# Altium PCB 1-quilter-input.PcbDoc (part 1 of 4) (continued)
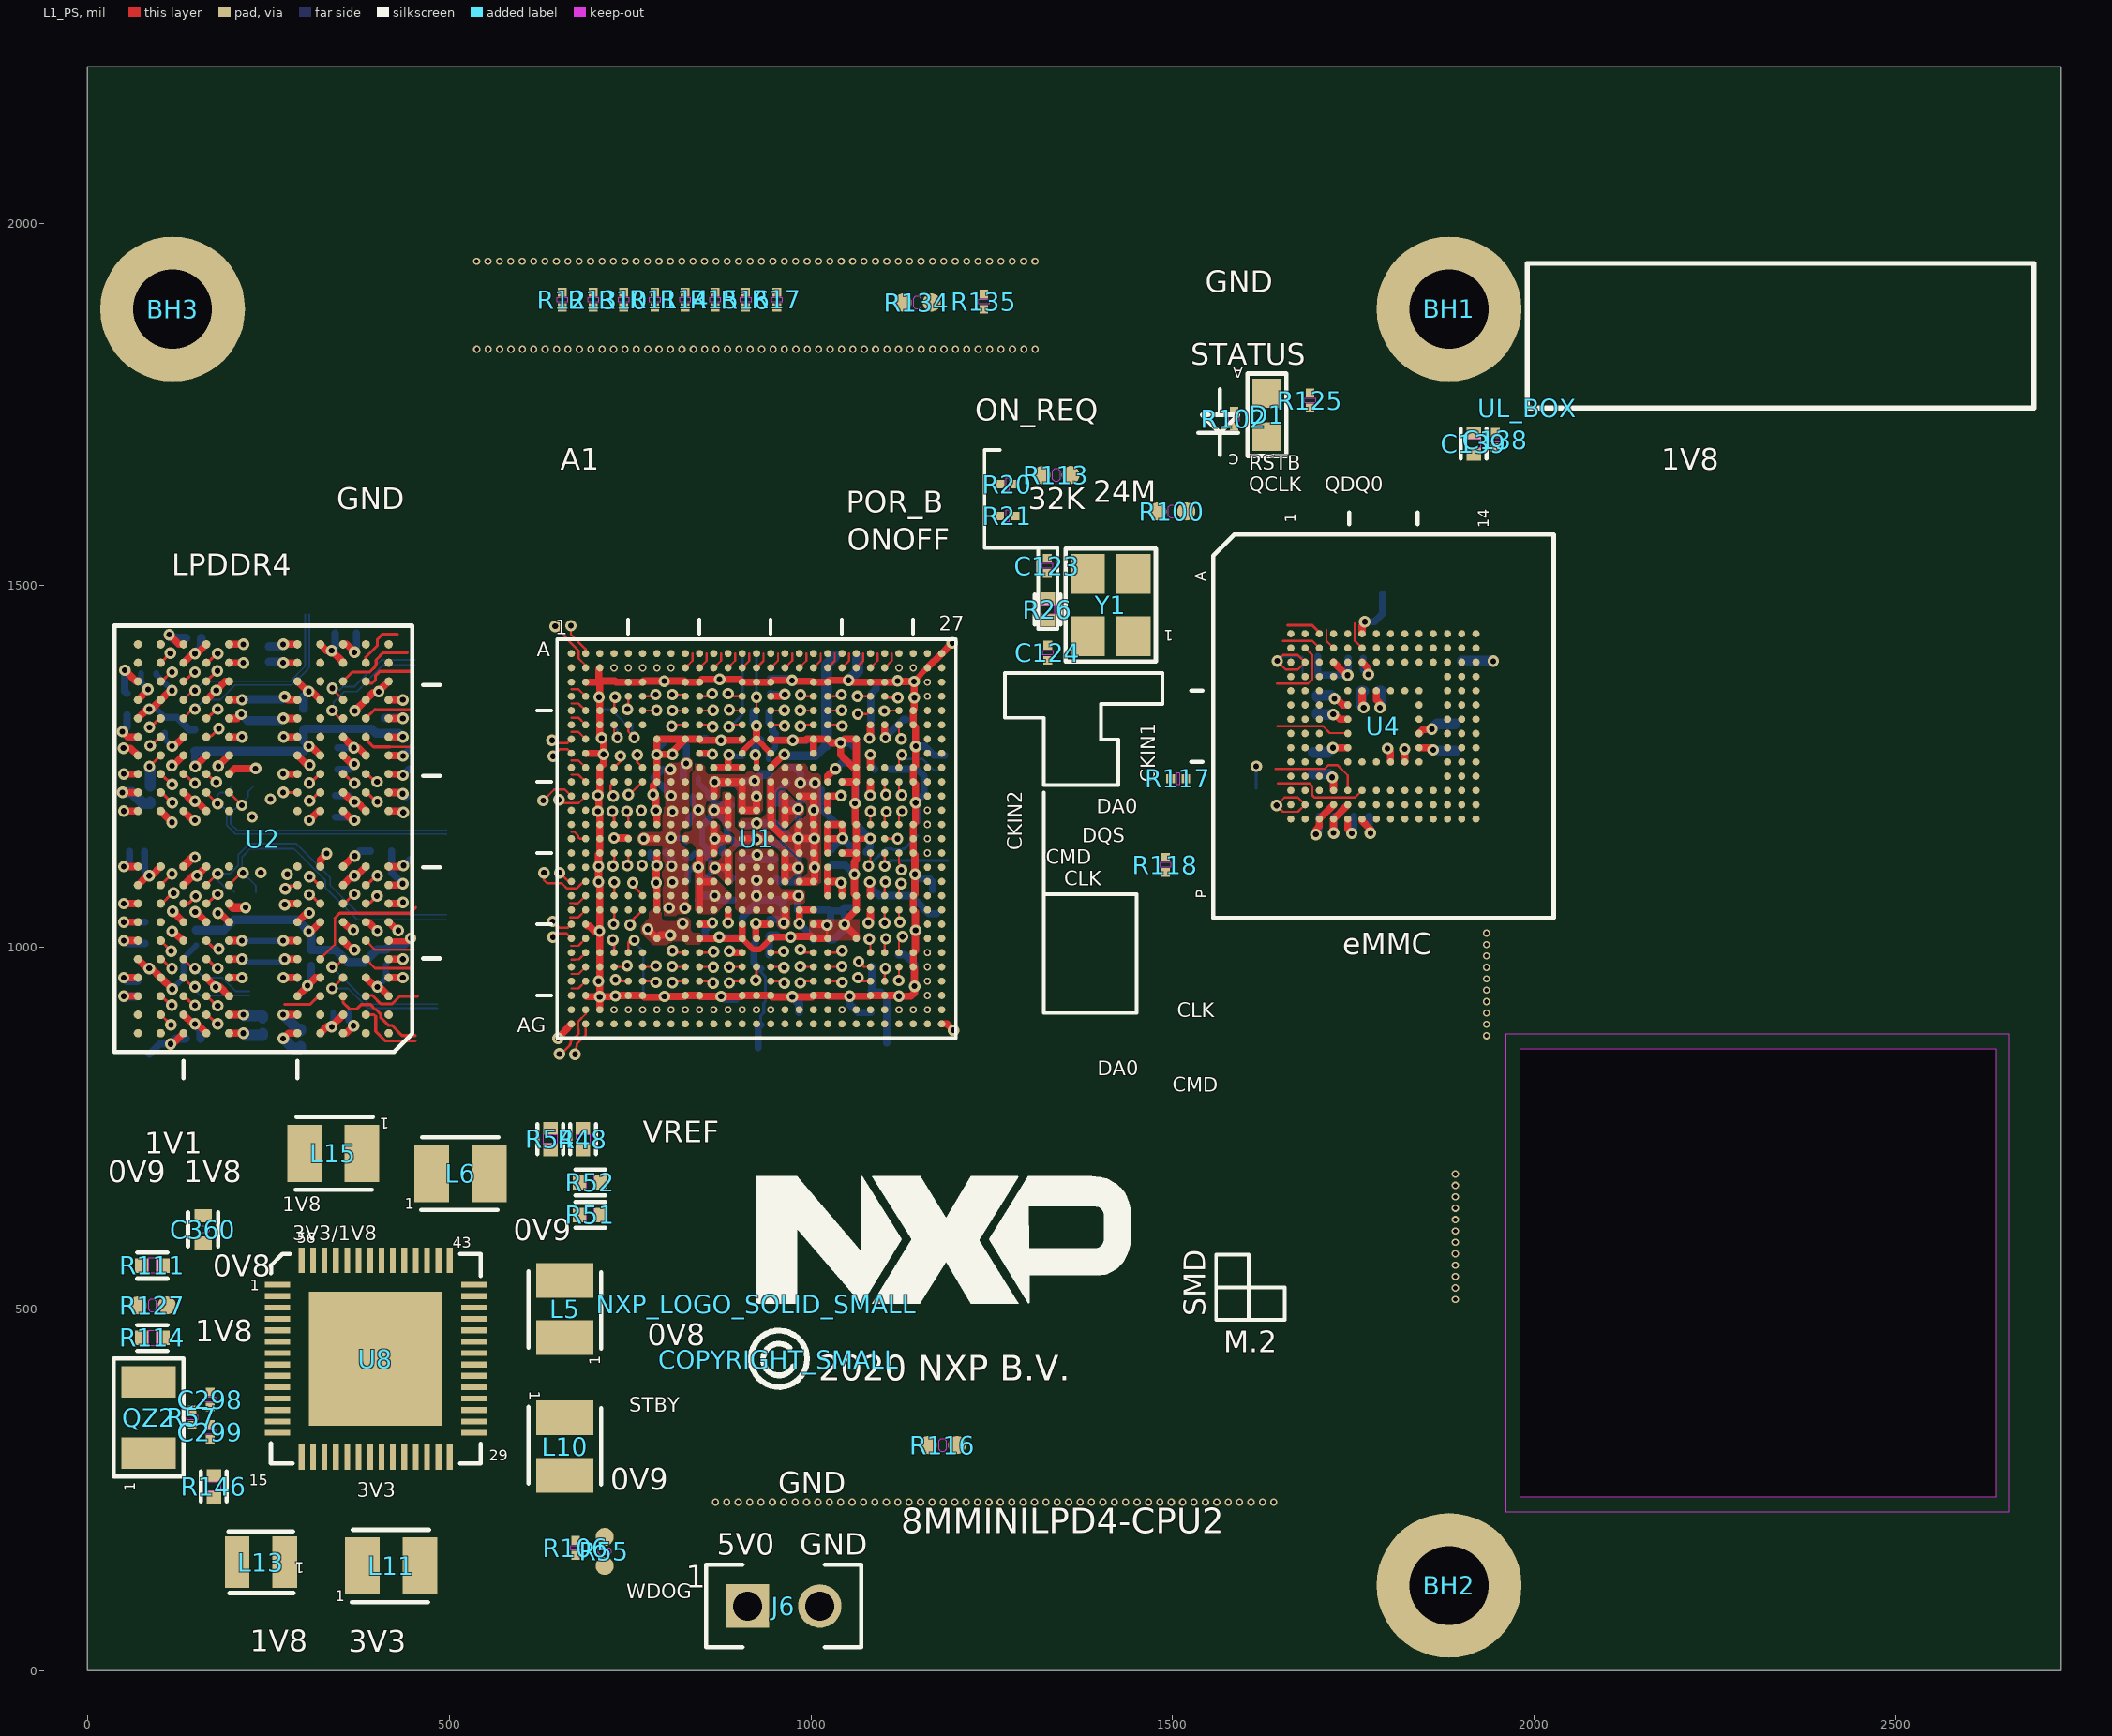
[diagram p0: L1_PS view]
## Components (designator, comment, footprint, x,y, rotation, side; value= is the part's Value field where it differs from the comment) (continued)
C360 "4.7uF" cc0402_tol0p15 160,610 r90 top
C363 "4.7uF" cc0402_tol0p15 235,660 r180 bottom
C365 "1.0UF" CC0603_OV 202,614 r180 bottom
C370 "0.22uF" 0201_CC 412.78,986.24 r270 bottom
C371 "0.22uF" 0201_CC 309.5,985.63 r270 bottom
C372 "0.22uF" 0201_CC 150.6,1013.02 r270 bottom
C373 "0.22uF" 0201_CC 84.89,1378.9 r0 bottom
C374 "0.22uF" 0201_CC 68.96,1132.26 r0 bottom
C375 "0.22uF" 0201_CC 107.2,1307.29 r90 bottom
C376 "0.22uF" 0201_CC 457.89,1197.9 r90 bottom
C378 "0.22uF" 0201_CC 251.62,1404.97 r90 bottom
C379 "0.22uF" 0201_CC 350.57,909.56 r0 bottom
C380 "0.22uF" 0201_CC 146.19,873.63 r180 bottom
C381 "0.22uF" 0201_CC 68.89,942.9 r270 bottom
C382 "0.22uF" 0201_CC 455.49,971.18 r90 bottom
C384 "0.22uF" 0201_CC 411.64,1306.23 r90 bottom
C391 "1uF" 0201_CC 1098.94,1246.02 r0 bottom
C392 "0.22UF" 0201_CC 1110.69,989.7 r0 bottom
C393 "0.22UF" 0201_CC 1079,1440 r180 bottom
C394 "0.22UF" 0201_CC 1185.53,1304.18 r270 bottom
C400 "0.22UF" 0201_CC 973.25,911.1 r0 bottom
C401 "10uF" CC0603_OV 920,510 r180 bottom
C402 "10uF" CC0603_OV 920,455 r180 bottom
C403 "22uF" CC0603_OV 1025,455 r180 bottom
C404 "22uF" CC0603_OV 1109.35,108.17 r270 bottom
C405 "2.2uF" 0402_CC 1050,1404 r0 bottom
C406 "1.0UF" 0402_CC 250,470 r0 bottom
C407 "1.0UF" 0402_CC 995,1715 r0 bottom
C408 "1uF" 0201_CC 1030,1440 r0 bottom
C410 "4.7uF" cc0402_tol0p15 460,289.7 r90 bottom
COPYRIGHT_SMALL "" COPYRIGHT_SMALL 955.92,430.2 r0 top
D1 "LED GREEN" LED_0603 1630.29,1735.74 r270 top
J4 "DF40C-100DP-0.4V(51)" con100_0p4_21p7x2p05_sm 923.89,1893.9 r180 bottom
J5 "DF40C-100DS-0.4V(51)" con100_0p4_22p8x3p1_sm 1253.89,293.9 r0 bottom
J6 "HDR 1X2 TH" HDR_1X2 912.42,89.57 r90 top
J7 "DF40C-20DS-0.4V(51)" con20_0p4_6p8x3p1_sm 1872.86,948.57 r90 bottom
J8 "CON 2X12" con24_0p4_7p6x3p08_sm 1830,600 r270 bottom
L5 "0.47uH" ind_sph2520 660,500 r90 top
L6 "0.47uH" ind_sph2520 515.97,687.43 r0 top
L10 "0.47uH" ind_sph2520 660,310 r270 top
L11 "1uH" ind_sph2520 420,145 r0 top
L13 "0.47uH" IND_2016A 240,150 r180 top
L15 "0.47uH" ind_sph2520 340,715 r180 top
NXP_LOGO_SOLID_SMALL "" NXP_LOGO_SOLID_SMALL 925,507 r0 top
Q1 "NX3008NBKW,115" sc70_3 1578,1194 r270 bottom
QZ2 "32.768KHZ" XTAL2-3P2X1P5-SM 85,350 r90 top
R4 "10K" 0201_CC 86.89,1211.9 r90 bottom
R5 "240 OHM" 0201_CC 294.98,873.65 r270 bottom
R6 "240 OHM" 0201_CC 242.62,891.73 r270 bottom
R7 "240 OHM" 0201_CC 685.44,1238.46 r180 bottom
R8 "150" 0402_CC 214.66,1222.19 r180 bottom
R9 "150" 0402_CC 218.32,1075.75 r180 bottom
R10 "4.7K" 0201_CC 741.29,1894.64 r90 top
R11 "4.7K" 0201_CC 784.25,1894.64 r90 top
R12 "4.7K" 0201_CC 656.25,1894.64 r90 top
R13 "4.7K" 0201_CC 699.25,1894.64 r90 top
R14 "4.7K" 0201_CC 826.01,1894.64 r90 top
R15 "4.7K" 0201_CC 867.58,1894.64 r90 top
R16 "4.7K" 0201_CC 909.99,1894.64 r90 top
R17 "4.7K" 0201_CC 953,1894.64 r90 top
R18 "10K" 0201_CC 1350.79,1359.2 r90 bottom
R20 "100K" 0201_CC 1271.89,1639.9 r180 top
R21 "100K" 0201_CC 1271.55,1596.05 r180 top
R23 "10K" 0201_CC 1218,1382 r180 bottom
R26 "510K" 0402_CC 1327.28,1466.58 r270 top
R28 "8.2K" 0402_CC 1092,1629 r0 bottom
R29 "200" 0201_CC 1089,1662 r0 bottom
R30 "200" 0201_CC 1087.89,1598.3 r0 bottom
R37 "10K" 0402_CC 1900,1410 r90 bottom
R47 "10K" 0402_CC 1412.46,1348.56 r270 bottom
R48 "0" 0402_CC 685,735 r270 top
R51 "0" 0402_CC 695,630 r180 top
R52 "0" 0402_CC 695,675 r180 top
R54 "0" 0402_CC 640,735 r270 top
R55 "0" RC0402_25 715,165 r90 top
R57 "1M" 0201_CC 145,350 r270 top
R71 "10K" 0402_CC 1559.89,124.9 r270 bottom
R72 "10K" 0402_CC 1519.89,124.9 r270 bottom
R75 "10K" 0402_CC 1479.89,124.9 r270 bottom
R76 "10K" 0402_CC 1439.89,124.9 r270 bottom
R79 "10K" 0402_CC 1467.33,1318.97 r90 bottom
R95 "10K" 0402_CC 1609.66,452.9 r90 bottom
R97 "10K" 0402_CC 1574.66,452.9 r90 bottom
R100 "0" RC0402_25 1498.9,1602.17 r180 top
R102 "100K" 0201_CC 1584.74,1730.27 r270 top
R103 "100K" 0201_CC 1185.53,1254.9 r90 bottom
R106 "100K" 0201_CC 675,170 r90 top
R108 "30K" 0201_CC 1089.89,1369.9 r90 bottom
R109 "30K" 0201_CC 1141.89,1314.9 r0 bottom
R111 "0" 0402_CC 90,560 r180 top
R113 "0" RC0402_25 1339.01,1652.57 r0 top
R114 "0" 0402_CC 90,460 r180 top
R116 "0" RC0402_25 1182,312 r180 top
R117 "10K" 0201_CC 1507.49,1233 r180 top
R118 "10K" 0201_CC 1490,1114 r90 top
R119 "10K" 0201_CC 1199.49,1030.6 r270 bottom
R120 "10K" 0201_CC 1171.49,1031 r270 bottom
R121 "10K" 0201_CC 713.39,1308.8 r0 bottom
R122 "10K" 0201_CC 763.39,1309.3 r180 bottom
R123 "10K" 0201_CC 715.49,991.3 r0 bottom
R124 "10K" 0201_CC 779.59,993.6 r180 bottom
R125 "1K" 0201_CC 1689.83,1755.76 r90 top
R127 "0" RC0402_25 90,505 r0 top
R133 "4.7K" 0201_CC 1277.5,1030.6 r270 bottom
R134 "0" RC0402_25 1147,1891 r180 top
R135 "100K" 0201_CC 1239,1892 r90 top
R140 "0" 0402_CC 575,610 r270 bottom
R141 "0" 0402_CC 620,610 r90 bottom
R142 "0" 0402_CC 569,528.24 r270 bottom
R143 "0" 0402_CC 534,528.76 r90 bottom
R144 "0" 0402_CC 540,320 r90 bottom
R145 "0" 0402_CC 505,320 r270 bottom
R146 "0" 0402_CC 175,255 r90 top
U1 "MIMX8MM6DVTLZAA" bga486_0p5_14x14 924.89,1149.9 r0 top
U2 "MT53E512M32D2NP-046 WT:F" bga200_0p65x0p8_10p1x14p6 243.33,1149.9 r180 top
U4 "SDINBDG4-32G-I1" fbga153_0p5_11p5x13 1791.18,1305.26 r0 top
U5 "MT25QU256ABA1EW7-0SIT" dfn8_1p27_6x5mm_3p1 1865,1600 r90 bottom
U8 "PCA9450AAHN" hvqfn56_0p4_7x7_ep4p7mm 398.69,431.23 r0 top
U10 "LD39015M12R" sot23-5 975,1605 r0 bottom
UL_BOX "" UL_BOX 1990,1745 r0 top
Y1 "24MHZ" xtlosc4_3p2x2p5mm_sm 1414.35,1472.82 r90 top

## Footprints (in the part's own frame and the unit in brackets; to place one, negate y for a bottom-side part, rotate by r counter-clockwise, add the part's x,y. Pads: shape width x height; smd on the part's side, far side on the other; paste and mask are expansions set on the pad)
0201_CC [mil] "0201_CC"
  rect 12x12 smd: 1(-10.51,0) 2(10.51,0)
  L1_PS keep-out region: -2.64,7.87 -2.64,-7.87 2.64,-7.87 2.64,7.87
  L1_PS keep-out region: -2.64,7.87 -2.64,-7.87 2.64,-7.87 2.64,7.87
  body extent -12,-6 12,6, height 13
0402_CC [mil] "0402_CC"
  rect 18x20 smd: 1(-14.76,0) 2(14.76,0)
  L1_PS keep-out region: -5.75,10 -5.75,-10 5.75,-10 5.75,10
  L1_PS keep-out region: -5.75,10 -5.75,-10 5.75,-10 5.75,10
  silkscreen extent -21,-18 21,18, body extent -20,-10 20,10, height 16
0402_cc_nsp [mil] "0402_CC_NSP"
  rect 18x20 smd: 1(-14.76,0) 2(14.76,0)
  L1_PS keep-out region: -5.75,10 -5.75,-10 5.75,-10 5.75,10
  L1_PS keep-out region: -5.75,10 -5.75,-10 5.75,-10 5.75,10
  silkscreen extent -21,-18 21,18, body extent -20,-10 20,10, height 16
bga200_0p65x0p8_10p1x14p6 [mil] "BGA200_0P65X0P8_10P1X14P6"
  round 11.5 smd: A1(-173.23,268.7) A2(-141.73,268.7) A3(-110.24,268.7) A4(-78.74,268.7) A5(-47.24,268.7) A8(47.24,268.7) A9(78.74,268.7) A10(110.24,268.7) A11(141.73,268.7) A12(173.23,268.7) AA1(-173.23,-243.11) AA2(-141.73,-243.11) AA3(-110.24,-243.11) AA4(-78.74,-243.11) AA5(-47.24,-243.11) AA8(47.24,-243.11) AA9(78.74,-243.11) AA10(110.24,-243.11) AA11(141.73,-243.11) AA12(173.23,-243.11) AB1(-173.23,-268.7) AB2(-141.73,-268.7) AB3(-110.24,-268.7) AB4(-78.74,-268.7) AB5(-47.24,-268.7) AB8(47.24,-268.7) AB9(78.74,-268.7) AB10(110.24,-268.7) AB11(141.73,-268.7) AB12(173.23,-268.7) B1(-173.23,243.11) B2(-141.73,243.11) B3(-110.24,243.11) B4(-78.74,243.11) B5(-47.24,243.11) B8(47.24,243.11) B9(78.74,243.11) B10(110.24,243.11) B11(141.73,243.11) B12(173.23,243.11) C1(-173.23,217.52) C2(-141.73,217.52) C3(-110.24,217.52) C4(-78.74,217.52) C5(-47.24,217.52) C8(47.24,217.52) C9(78.74,217.52) C10(110.24,217.52) C11(141.73,217.52) C12(173.23,217.52) D1(-173.23,191.93) D2(-141.73,191.93) D3(-110.24,191.93) D4(-78.74,191.93) D5(-47.24,191.93) D8(47.24,191.93) D9(78.74,191.93) D10(110.24,191.93) D11(141.73,191.93) D12(173.23,191.93) E1(-173.23,166.34) E2(-141.73,166.34) E3(-110.24,166.34) E4(-78.74,166.34) E5(-47.24,166.34) E8(47.24,166.34) E9(78.74,166.34) E10(110.24,166.34) E11(141.73,166.34) E12(173.23,166.34) F1(-173.23,140.75) F2(-141.73,140.75) F3(-110.24,140.75) F4(-78.74,140.75) F5(-47.24,140.75) F8(47.24,140.75) F9(78.74,140.75) F10(110.24,140.75) F11(141.73,140.75) F12(173.23,140.75) G1(-173.23,115.16) G2(-141.73,115.16) G3(-110.24,115.16) G4(-78.74,115.16) G5(-47.24,115.16) G8(47.24,115.16) G9(78.74,115.16) G10(110.24,115.16) G11(141.73,115.16) G12(173.23,115.16) H1(-173.23,89.57) H2(-141.73,89.57) H3(-110.24,89.57) H4(-78.74,89.57) H5(-47.24,89.57) H8(47.24,89.57) H9(78.74,89.57) H10(110.24,89.57) H11(141.73,89.57) H12(173.23,89.57) J1(-173.23,63.98) J2(-141.73,63.98) J3(-110.24,63.98) J4(-78.74,63.98) J5(-47.24,63.98) J8(47.24,63.98) J9(78.74,63.98) J10(110.24,63.98) J11(141.73,63.98) J12(173.23,63.98) K1(-173.23,38.39) K2(-141.73,38.39) K3(-110.24,38.39) K4(-78.74,38.39) K5(-47.24,38.39) K8(47.24,38.39) K9(78.74,38.39) K10(110.24,38.39) K11(141.73,38.39) K12(173.23,38.39) N1(-173.23,-38.39) N2(-141.73,-38.39) N3(-110.24,-38.39) N4(-78.74,-38.39) N5(-47.24,-38.39) N8(47.24,-38.39) N9(78.74,-38.39) N10(110.24,-38.39) N11(141.73,-38.39) N12(173.23,-38.39) P1(-173.23,-63.98) P2(-141.73,-63.98) P3(-110.24,-63.98) P4(-78.74,-63.98) P5(-47.24,-63.98) P8(47.24,-63.98) P9(78.74,-63.98) P10(110.24,-63.98) P11(141.73,-63.98) P12(173.23,-63.98) R1(-173.23,-89.57) R2(-141.73,-89.57) R3(-110.24,-89.57) R4(-78.74,-89.57) R5(-47.24,-89.57) R8(47.24,-89.57) R9(78.74,-89.57) R10(110.24,-89.57) R11(141.73,-89.57) R12(173.23,-89.57) T1(-173.23,-115.16) T2(-141.73,-115.16) T3(-110.24,-115.16) T4(-78.74,-115.16) T5(-47.24,-115.16) T8(47.24,-115.16) T9(78.74,-115.16) T10(110.24,-115.16) T11(141.73,-115.16) T12(173.23,-115.16) U1(-173.23,-140.75) U2(-141.73,-140.75) U3(-110.24,-140.75) U4(-78.74,-140.75) U5(-47.24,-140.75) U8(47.24,-140.75) U9(78.74,-140.75) U10(110.24,-140.75) U11(141.73,-140.75) U12(173.23,-140.75) V1(-173.23,-166.34) V2(-141.73,-166.34) V3(-110.24,-166.34) V4(-78.74,-166.34) V5(-47.24,-166.34) V8(47.24,-166.34) V9(78.74,-166.34) V10(110.24,-166.34) V11(141.73,-166.34) V12(173.23,-166.34) W1(-173.23,-191.93) W2(-141.73,-191.93) W3(-110.24,-191.93) W4(-78.74,-191.93) W5(-47.24,-191.93) W8(47.24,-191.93) W9(78.74,-191.93) W10(110.24,-191.93) W11(141.73,-191.93) W12(173.23,-191.93) Y1(-173.23,-217.52) Y2(-141.73,-217.52) Y3(-110.24,-217.52) Y4(-78.74,-217.52) Y5(-47.24,-217.52) Y8(47.24,-217.52) Y9(78.74,-217.52) Y10(110.24,-217.52) Y11(141.73,-217.52) Y12(173.23,-217.52)
  silkscreen extent -244,-294 206,331, body extent -197,-295 197,295, height 39
bga486_0p5_14x14 [mil] "BGA486_0P5_14X14"
  round 10 smd: A1(-255.91,255.91) A2(-236.22,255.91) A3(-216.54,255.91) A4(-196.85,255.91) A5(-177.16,255.91) A6(-157.48,255.91) A7(-137.8,255.91) A8(-118.11,255.91) A9(-98.42,255.91) A10(-78.74,255.91) A11(-59.06,255.91) A12(-39.37,255.91) A13(-19.68,255.91) A14(0,255.91) A15(19.68,255.91) A16(39.37,255.91) A17(59.06,255.91) A18(78.74,255.91) A19(98.42,255.91) A20(118.11,255.91) A21(137.8,255.91) A22(157.48,255.91) A23(177.16,255.91) A24(196.85,255.91) A25(216.54,255.91) A26(236.22,255.91) A27(255.91,255.91) AA1(-255.91,-137.8) AA2(-236.22,-137.8) AA7(-137.8,-137.8) AA9(-98.42,-137.8) AA10(-78.74,-137.8) AA13(-19.68,-137.8) AA14(0,-137.8) AA15(19.68,-137.8) AA18(78.74,-137.8) AA19(98.42,-137.8) AA21(137.8,-137.8) AA26(236.22,-137.8) AA27(255.91,-137.8) AB1(-255.91,-157.48) AB2(-236.22,-157.48) AB3(-216.54,-157.48) AB4(-196.85,-157.48) AB5(-177.16,-157.48) AB6(-157.48,-157.48) AB9(-98.42,-157.48) AB10(-78.74,-157.48) AB13(-19.68,-157.48) AB15(19.68,-157.48) AB18(78.74,-157.48) AB19(98.42,-157.48) AB22(157.48,-157.48) AB23(177.16,-157.48) AB24(196.85,-157.48) AB25(216.54,-157.48) AB26(236.22,-157.48) AB27(255.91,-157.48) AC1(-255.91,-177.16) AC2(-236.22,-177.16) AC3(-216.54,-177.16) AC4(-196.85,-177.16) AC6(-157.48,-177.16) AC9(-98.42,-177.16) AC10(-78.74,-177.16) AC13(-19.68,-177.16) AC14(0,-177.16) AC15(19.68,-177.16) AC18(78.74,-177.16) AC19(98.42,-177.16) AC22(157.48,-177.16) AC24(196.85,-177.16) AC25(216.54,-177.16) AC26(236.22,-177.16) AC27(255.91,-177.16) AD1(-255.91,-196.85) AD2(-236.22,-196.85) AD5(-177.16,-196.85) AD6(-157.48,-196.85) AD9(-98.42,-196.85) AD10(-78.74,-196.85) AD13(-19.68,-196.85) AD15(19.68,-196.85) AD18(78.74,-196.85) AD19(98.42,-196.85) AD22(157.48,-196.85) AD23(177.16,-196.85) AD26(236.22,-196.85) AD27(255.91,-196.85) AE1(-255.91,-216.54) AE2(-236.22,-216.54) AE5(-177.16,-216.54) AE6(-157.48,-216.54) AE9(-98.42,-216.54) AE10(-78.74,-216.54) AE13(-19.68,-216.54) AE14(0,-216.54) AE15(19.68,-216.54) AE18(78.74,-216.54) AE19(98.42,-216.54) AE22(157.48,-216.54) AE23(177.16,-216.54) AE26(236.22,-216.54) AE27(255.91,-216.54) AF1(-255.91,-236.22) AF2(-236.22,-236.22) AF3(-216.54,-236.22) AF4(-196.85,-236.22) AF5(-177.16,-236.22) AF6(-157.48,-236.22) AF7(-137.8,-236.22) AF8(-118.11,-236.22) AF9(-98.42,-236.22) AF10(-78.74,-236.22) AF11(-59.06,-236.22) AF12(-39.37,-236.22) AF13(-19.68,-236.22) AF14(0,-236.22) AF15(19.68,-236.22) AF16(39.37,-236.22) AF17(59.06,-236.22) AF18(78.74,-236.22) AF19(98.42,-236.22) AF20(118.11,-236.22) AF21(137.8,-236.22) AF22(157.48,-236.22) AF23(177.16,-236.22) AF24(196.85,-236.22) AF25(216.54,-236.22) AF26(236.22,-236.22) AF27(255.91,-236.22) AG1(-255.91,-255.91) AG2(-236.22,-255.91) AG3(-216.54,-255.91) AG4(-196.85,-255.91) AG5(-177.16,-255.91) AG6(-157.48,-255.91) AG7(-137.8,-255.91) AG8(-118.11,-255.91) AG9(-98.42,-255.91) AG10(-78.74,-255.91) AG11(-59.06,-255.91) AG12(-39.37,-255.91) AG13(-19.68,-255.91) AG14(0,-255.91) AG15(19.68,-255.91) AG16(39.37,-255.91) AG17(59.06,-255.91) AG18(78.74,-255.91) AG19(98.42,-255.91) AG20(118.11,-255.91) AG21(137.8,-255.91) AG22(157.48,-255.91) AG23(177.16,-255.91) AG24(196.85,-255.91) AG25(216.54,-255.91) AG26(236.22,-255.91) AG27(255.91,-255.91) B1(-255.91,236.22) B2(-236.22,236.22) B3(-216.54,236.22) B4(-196.85,236.22) B5(-177.16,236.22) B6(-157.48,236.22) B7(-137.8,236.22) B8(-118.11,236.22) B9(-98.42,236.22) B10(-78.74,236.22) B11(-59.06,236.22) B12(-39.37,236.22) B13(-19.68,236.22) B14(0,236.22) B15(19.68,236.22) B16(39.37,236.22) B17(59.06,236.22) B18(78.74,236.22) B19(98.42,236.22) B20(118.11,236.22) B21(137.8,236.22) B22(157.48,236.22) B23(177.16,236.22) B24(196.85,236.22) B25(216.54,236.22) B26(236.22,236.22) B27(255.91,236.22) C1(-255.91,216.54) C2(-236.22,216.54) C5(-177.16,216.54) C6(-157.48,216.54) C9(-98.42,216.54) C10(-78.74,216.54) C13(-19.68,216.54) C14(0,216.54) C15(19.68,216.54) C18(78.74,216.54) C19(98.42,216.54) C22(157.48,216.54) C23(177.16,216.54) C26(236.22,216.54) C27(255.91,216.54) D1(-255.91,196.85) D2(-236.22,196.85) D5(-177.16,196.85) D6(-157.48,196.85) D9(-98.42,196.85) D10(-78.74,196.85) D13(-19.68,196.85) D15(19.68,196.85) D18(78.74,196.85) D19(98.42,196.85) D22(157.48,196.85) D23(177.16,196.85) D26(236.22,196.85) D27(255.91,196.85) E1(-255.91,177.16) E2(-236.22,177.16) E3(-216.54,177.16) E4(-196.85,177.16) E6(-157.48,177.16) E9(-98.42,177.16) E10(-78.74,177.16) E13(-19.68,177.16) E14(0,177.16) E15(19.68,177.16) E18(78.74,177.16) E19(98.42,177.16) E22(157.48,177.16) E24(196.85,177.16) E25(216.54,177.16) E26(236.22,177.16) E27(255.91,177.16) F1(-255.91,157.48) F2(-236.22,157.48) F3(-216.54,157.48) F4(-196.85,157.48) F5(-177.16,157.48) F6(-157.48,157.48) F9(-98.42,157.48) F10(-78.74,157.48) F13(-19.68,157.48) F15(19.68,157.48) F18(78.74,157.48) F19(98.42,157.48) F22(157.48,157.48) F23(177.16,157.48) F24(196.85,157.48) F25(216.54,157.48) F26(236.22,157.48) F27(255.91,157.48) G1(-255.91,137.8) G2(-236.22,137.8) G7(-137.8,137.8) G9(-98.42,137.8) G10(-78.74,137.8) G13(-19.68,137.8) G14(0,137.8) G15(19.68,137.8) G18(78.74,137.8) G19(98.42,137.8) G21(137.8,137.8) G26(236.22,137.8) G27(255.91,137.8) H1(-255.91,118.11) H2(-236.22,118.11) H10(-78.74,118.11) H13(-19.68,118.11) H15(19.68,118.11) H18(78.74,118.11) H26(236.22,118.11) H27(255.91,118.11) J1(-255.91,98.42) J2(-236.22,98.42) J3(-216.54,98.42) J4(-196.85,98.42) J5(-177.16,98.42) J6(-157.48,98.42) J7(-137.8,98.42) J10(-78.74,98.42) J11(-59.06,98.42) J12(-39.37,98.42) J13(-19.68,98.42) J14(0,98.42) J15(19.68,98.42) J16(39.37,98.42) J17(59.06,98.42) J18(78.74,98.42) J21(137.8,98.42) J22(157.48,98.42) J23(177.16,98.42) J24(196.85,98.42) J25(216.54,98.42) J26(236.22,98.42) J27(255.91,98.42) K1(-255.91,78.74) K2(-236.22,78.74) K3(-216.54,78.74) K4(-196.85,78.74) K5(-177.16,78.74) K6(-157.48,78.74) K7(-137.8,78.74) K8(-118.11,78.74) K9(-98.42,78.74) K12(-39.37,78.74) K13(-19.68,78.74) K15(19.68,78.74) K16(39.37,78.74) K19(98.42,78.74) K20(118.11,78.74) K21(137.8,78.74) K22(157.48,78.74) K23(177.16,78.74) K24(196.85,78.74) K25(216.54,78.74) K26(236.22,78.74) K27(255.91,78.74) L1(-255.91,59.06) L2(-236.22,59.06) L9(-98.42,59.06) L10(-78.74,59.06) L11(-59.06,59.06) L12(-39.37,59.06) L13(-19.68,59.06) L15(19.68,59.06) L16(39.37,59.06) L17(59.06,59.06) L18(78.74,59.06) L19(98.42,59.06) L26(236.22,59.06) L27(255.91,59.06) M1(-255.91,39.37) M2(-236.22,39.37) M9(-98.42,39.37) M12(-39.37,39.37) M13(-19.68,39.37) M14(0,39.37) M15(19.68,39.37) M16(39.37,39.37) M19(98.42,39.37) M26(236.22,39.37) M27(255.91,39.37) N1(-255.91,19.68) N2(-236.22,19.68) N3(-216.54,19.68) N4(-196.85,19.68) N5(-177.16,19.68) N6(-157.48,19.68) N7(-137.8,19.68) N8(-118.11,19.68) N9(-98.42,19.68) N10(-78.74,19.68) N11(-59.06,19.68) N12(-39.37,19.68) N13(-19.68,19.68) N15(19.68,19.68) N16(39.37,19.68) N17(59.06,19.68) N18(78.74,19.68) N19(98.42,19.68) N20(118.11,19.68) N21(137.8,19.68) N22(157.48,19.68) N23(177.16,19.68) N24(196.85,19.68) N25(216.54,19.68) N26(236.22,19.68) N27(255.91,19.68) P1(-255.91,0) P2(-236.22,0) P3(-216.54,0) P5(-177.16,0) P7(-137.8,0) P9(-98.42,0) P12(-39.37,0) P13(-19.68,0) P15(19.68,0) P16(39.37,0) P19(98.42,0) P21(137.8,0) P23(177.16,0) P25(216.54,0) P26(236.22,0) P27(255.91,0) R1(-255.91,-19.68) R2(-236.22,-19.68) R3(-216.54,-19.68) R4(-196.85,-19.68) R5(-177.16,-19.68) R6(-157.48,-19.68) R7(-137.8,-19.68) R8(-118.11,-19.68) R9(-98.42,-19.68) R10(-78.74,-19.68) R11(-59.06,-19.68) R12(-39.37,-19.68) R13(-19.68,-19.68) R15(19.68,-19.68) R16(39.37,-19.68) R17(59.06,-19.68) R18(78.74,-19.68) R19(98.42,-19.68) R20(118.11,-19.68) R21(137.8,-19.68) R22(157.48,-19.68) R23(177.16,-19.68) R24(196.85,-19.68) R25(216.54,-19.68) R26(236.22,-19.68) R27(255.91,-19.68) T1(-255.91,-39.37) T2(-236.22,-39.37) T9(-98.42,-39.37) T12(-39.37,-39.37) T13(-19.68,-39.37) T14(0,-39.37) T15(19.68,-39.37) T16(39.37,-39.37) T19(98.42,-39.37) T26(236.22,-39.37) T27(255.91,-39.37) U1(-255.91,-59.06) U2(-236.22,-59.06) U9(-98.42,-59.06) U10(-78.74,-59.06) U11(-59.06,-59.06) U12(-39.37,-59.06) U13(-19.68,-59.06) U15(19.68,-59.06) U16(39.37,-59.06) U17(59.06,-59.06) U18(78.74,-59.06) U19(98.42,-59.06) U26(236.22,-59.06) U27(255.91,-59.06) V1(-255.91,-78.74) V2(-236.22,-78.74) V3(-216.54,-78.74) V4(-196.85,-78.74) V5(-177.16,-78.74) V6(-157.48,-78.74) V7(-137.8,-78.74) V8(-118.11,-78.74) V9(-98.42,-78.74) V12(-39.37,-78.74) V13(-19.68,-78.74) V15(19.68,-78.74) V16(39.37,-78.74) V19(98.42,-78.74) V20(118.11,-78.74) V21(137.8,-78.74) V22(157.48,-78.74) V23(177.16,-78.74) V24(196.85,-78.74) V25(216.54,-78.74) V26(236.22,-78.74) V27(255.91,-78.74) W1(-255.91,-98.42) W2(-236.22,-98.42) W3(-216.54,-98.42) W4(-196.85,-98.42) W5(-177.16,-98.42) W6(-157.48,-98.42) W7(-137.8,-98.42) W10(-78.74,-98.42) W11(-59.06,-98.42) W12(-39.37,-98.42) W13(-19.68,-98.42) W14(0,-98.42) W15(19.68,-98.42) W16(39.37,-98.42) W17(59.06,-98.42) W18(78.74,-98.42) W21(137.8,-98.42) W22(157.48,-98.42) W23(177.16,-98.42) W24(196.85,-98.42) W25(216.54,-98.42) W26(236.22,-98.42) W27(255.91,-98.42) Y1(-255.91,-118.11) Y2(-236.22,-118.11) Y10(-78.74,-118.11) Y13(-19.68,-118.11) Y15(19.68,-118.11) Y18(78.74,-118.11) Y26(236.22,-118.11) Y27(255.91,-118.11)
  silkscreen extent -303,-276 276,303, body extent -276,-276 276,276, height 45
cc0402_tol0p15 [mil] "CC0402_TOL0P15"
  rect 18x24 smd: 1(-18.7,0) 2(18.7,0)
  L1_PS keep-out region: 5,4 5,-4 5,-6.07 2.07,-9 -2.07,-9 -5,-6.07 -5,-4 -5,-4 -5,4 -5,6.07 -2.07,9 2.07,9 5,6.07 5,4
  silkscreen extent -24,-21 24,21, body extent -20,-10 20,10, height 16
CC0603_OV [mil] "CC0603_OV"
  oval 35x45 smd: 1(-30,0) 2(30,0)
  L1_PS keep-out region: -10,20 10,20 10,-20 -10,-20
  silkscreen extent -5,-25 5,25, body extent -31,-16 31,16, height 22
con20_0p4_6p8x3p1_sm [mil] "CON20_0P4_6P8X3P1_SM"
  rect 8x28 smd: 1(-70.87,-60.63) 2(-70.87,60.63) 3(-55.12,-60.63) 4(-55.12,60.63) 5(-39.37,-60.63) 6(-39.37,60.63) 7(-23.62,-60.63) 8(-23.62,60.63) 9(-7.87,-60.63) 10(-7.87,60.63) 11(7.87,-60.63) 12(7.87,60.63) 13(23.62,-60.63) 14(23.62,60.63) 15(39.37,-60.63) 16(39.37,60.63) 17(55.12,-60.63) 18(55.12,60.63) 19(70.87,-60.63) 20(70.87,60.63)
  silkscreen extent -141,-69 141,69, body extent -130,-67 130,67, height 58
con24_0p4_7p6x3p08_sm [mil] "CON24_0P4_7P6X3P08_SM"
  rect 8x28 smd: 1(-86.61,-60.63) 2(-86.61,60.63) 3(-70.87,-60.63) 4(-70.87,60.63) 5(-55.12,-60.63) 6(-55.12,60.63) 7(-39.37,-60.63) 8(-39.37,60.63) 9(-23.62,-60.63) 10(-23.62,60.63) 11(-7.87,-60.63) 12(-7.87,60.63) 13(7.87,-60.63) 14(7.87,60.63) 15(23.62,-60.63) 16(23.62,60.63) 17(39.37,-60.63) 18(39.37,60.63) 19(55.12,-60.63) 20(55.12,60.63) 21(70.87,-60.63) 22(70.87,60.63) 23(86.61,-60.63) 24(86.61,60.63)
  silkscreen extent -157,-68 157,68, body extent -147,-67 144,67, height 58
con100_0p4_21p7x2p05_sm [mil] "CON100_0P4_21P7X2P05_SM"
  rect 8x27 smd: 1(385.83,-53.85) 2(385.83,53.85) 3(370.08,-53.85) 4(370.08,53.85) 5(354.33,-53.85) 6(354.33,53.85) 7(338.58,-53.85) 8(338.58,53.85) 9(322.83,-53.85) 10(322.83,53.85) 11(307.09,-53.85) 12(307.09,53.85) 13(291.34,-53.85) 14(291.34,53.85) 15(275.59,-53.85) 16(275.59,53.85) 17(259.84,-53.85) 18(259.84,53.85) 19(244.09,-53.85) 20(244.09,53.85) 21(228.35,-53.85) 22(228.35,53.85) 23(212.6,-53.85) 24(212.6,53.85) 25(196.85,-53.85) 26(196.85,53.85) 27(181.1,-53.85) 28(181.1,53.85) 29(165.35,-53.85) 30(165.35,53.85) 31(149.61,-53.85) 32(149.61,53.85) 33(133.86,-53.85) 34(133.86,53.85) 35(118.11,-53.85) 36(118.11,53.85) 37(102.36,-53.85) 38(102.36,53.85) 39(86.61,-53.85) 40(86.61,53.85) 41(70.87,-53.85) 42(70.87,53.85) 43(55.12,-53.85) 44(55.12,53.85) 45(39.37,-53.85) 46(39.37,53.85) 47(23.62,-53.85) 48(23.62,53.85) 49(7.87,-53.85) 50(7.87,53.85) 51(-7.87,-53.85) 52(-7.87,53.85) 53(-23.62,-53.85) 54(-23.62,53.85) 55(-39.37,-53.85) 56(-39.37,53.85) 57(-55.12,-53.85) 58(-55.12,53.85) 59(-70.87,-53.85) 60(-70.87,53.85) 61(-86.61,-53.85) 62(-86.61,53.85) 63(-102.36,-53.85) 64(-102.36,53.85) 65(-118.11,-53.85) 66(-118.11,53.85) 67(-133.86,-53.85) 68(-133.86,53.85) 69(-149.61,-53.85) 70(-149.61,53.85) 71(-165.35,-53.85) 72(-165.35,53.85) 73(-181.1,-53.85) 74(-181.1,53.85) 75(-196.85,-53.85) 76(-196.85,53.85) 77(-212.6,-53.85) 78(-212.6,53.85) 79(-228.35,-53.85) 80(-228.35,53.85) 81(-244.09,-53.85) 82(-244.09,53.85) 83(-259.84,-53.85) 84(-259.84,53.85) 85(-275.59,-53.85) 86(-275.59,53.85) 87(-291.34,-53.85) 88(-291.34,53.85) 89(-307.09,-53.85) 90(-307.09,53.85) 91(-322.83,-53.85) 92(-322.83,53.85) 93(-338.58,-53.85) 94(-338.58,53.85) 95(-354.33,-53.85) 96(-354.33,53.85) 97(-370.08,-53.85) 98(-370.08,53.85) 99(-385.83,-53.85) 100(-385.83,53.85)
  rect 14x27 smd: ""(-404.53,-53.85) ""(-404.53,53.85) ""(404.53,-53.85) ""(404.53,53.85)
  silkscreen extent -435,-47 435,47, body extent -424,-58 424,58, height 45
con100_0p4_22p8x3p1_sm [mil] "CON100_0P4_22P8X3P1_SM"
  rect 8x28 smd: 1(-385.83,-60.63) 2(-385.83,60.63) 3(-370.08,-60.63) 4(-370.08,60.63) 5(-354.33,-60.63) 6(-354.33,60.63) 7(-338.58,-60.63) 8(-338.58,60.63) 9(-322.83,-60.63) 10(-322.83,60.63) 11(-307.09,-60.63) 12(-307.09,60.63) 13(-291.34,-60.63) 14(-291.34,60.63) 15(-275.59,-60.63) 16(-275.59,60.63) 17(-259.84,-60.63) 18(-259.84,60.63) 19(-244.09,-60.63) 20(-244.09,60.63) 21(-228.35,-60.63) 22(-228.35,60.63) 23(-212.6,-60.63) 24(-212.6,60.63) 25(-196.85,-60.63) 26(-196.85,60.63) 27(-181.1,-60.63) 28(-181.1,60.63) 29(-165.35,-60.63) 30(-165.35,60.63) 31(-149.61,-60.63) 32(-149.61,60.63) 33(-133.86,-60.63) 34(-133.86,60.63) 35(-118.11,-60.63) 36(-118.11,60.63) 37(-102.36,-60.63) 38(-102.36,60.63) 39(-86.61,-60.63) 40(-86.61,60.63) 41(-70.87,-60.63) 42(-70.87,60.63) 43(-55.12,-60.63) 44(-55.12,60.63) 45(-39.37,-60.63) 46(-39.37,60.63) 47(-23.62,-60.63) 48(-23.62,60.63) 49(-7.87,-60.63) 50(-7.87,60.63) 51(7.87,-60.63) 52(7.87,60.63) 53(23.62,-60.63) 54(23.62,60.63) 55(39.37,-60.63) 56(39.37,60.63) 57(55.12,-60.63) 58(55.12,60.63) 59(70.87,-60.63) 60(70.87,60.63) 61(86.61,-60.63) 62(86.61,60.63) 63(102.36,-60.63) 64(102.36,60.63) 65(118.11,-60.63) 66(118.11,60.63) 67(133.86,-60.63) 68(133.86,60.63) 69(149.61,-60.63) 70(149.61,60.63) 71(165.35,-60.63) 72(165.35,60.63) 73(181.1,-60.63) 74(181.1,60.63) 75(196.85,-60.63) 76(196.85,60.63) 77(212.6,-60.63) 78(212.6,60.63) 79(228.35,-60.63) 80(228.35,60.63) 81(244.09,-60.63) 82(244.09,60.63) 83(259.84,-60.63) 84(259.84,60.63) 85(275.59,-60.63) 86(275.59,60.63) 87(291.34,-60.63) 88(291.34,60.63) 89(307.09,-60.63) 90(307.09,60.63) 91(322.83,-60.63) 92(322.83,60.63) 93(338.58,-60.63) 94(338.58,60.63) 95(354.33,-60.63) 96(354.33,60.63) 97(370.08,-60.63) 98(370.08,60.63) 99(385.83,-60.63) 100(385.83,60.63)
  silkscreen extent -456,-69 456,69, body extent -445,-67 445,67, height 58
COPYRIGHT_SMALL [mil] "COPYRIGHT_SMALL"
  silkscreen extent -39,-38 39,40
dfn8_1p27_6x5mm_3p1 [mil] "DFN8_1P27_6X5MM_3P1"
  rect 40x24 smd: 1(-112.2,75) 2(-112.2,25) 3(-112.2,-25) 4(-112.2,-75) 5(112.2,-75) 6(112.2,-25) 7(112.2,25) 8(112.2,75)
  rect 122x122 smd: 9(0,0)
  silkscreen extent -127,-107 127,107, body extent -119,-101 121,100, height 31